# KiCad board Amber.kicad_pcb (continued)
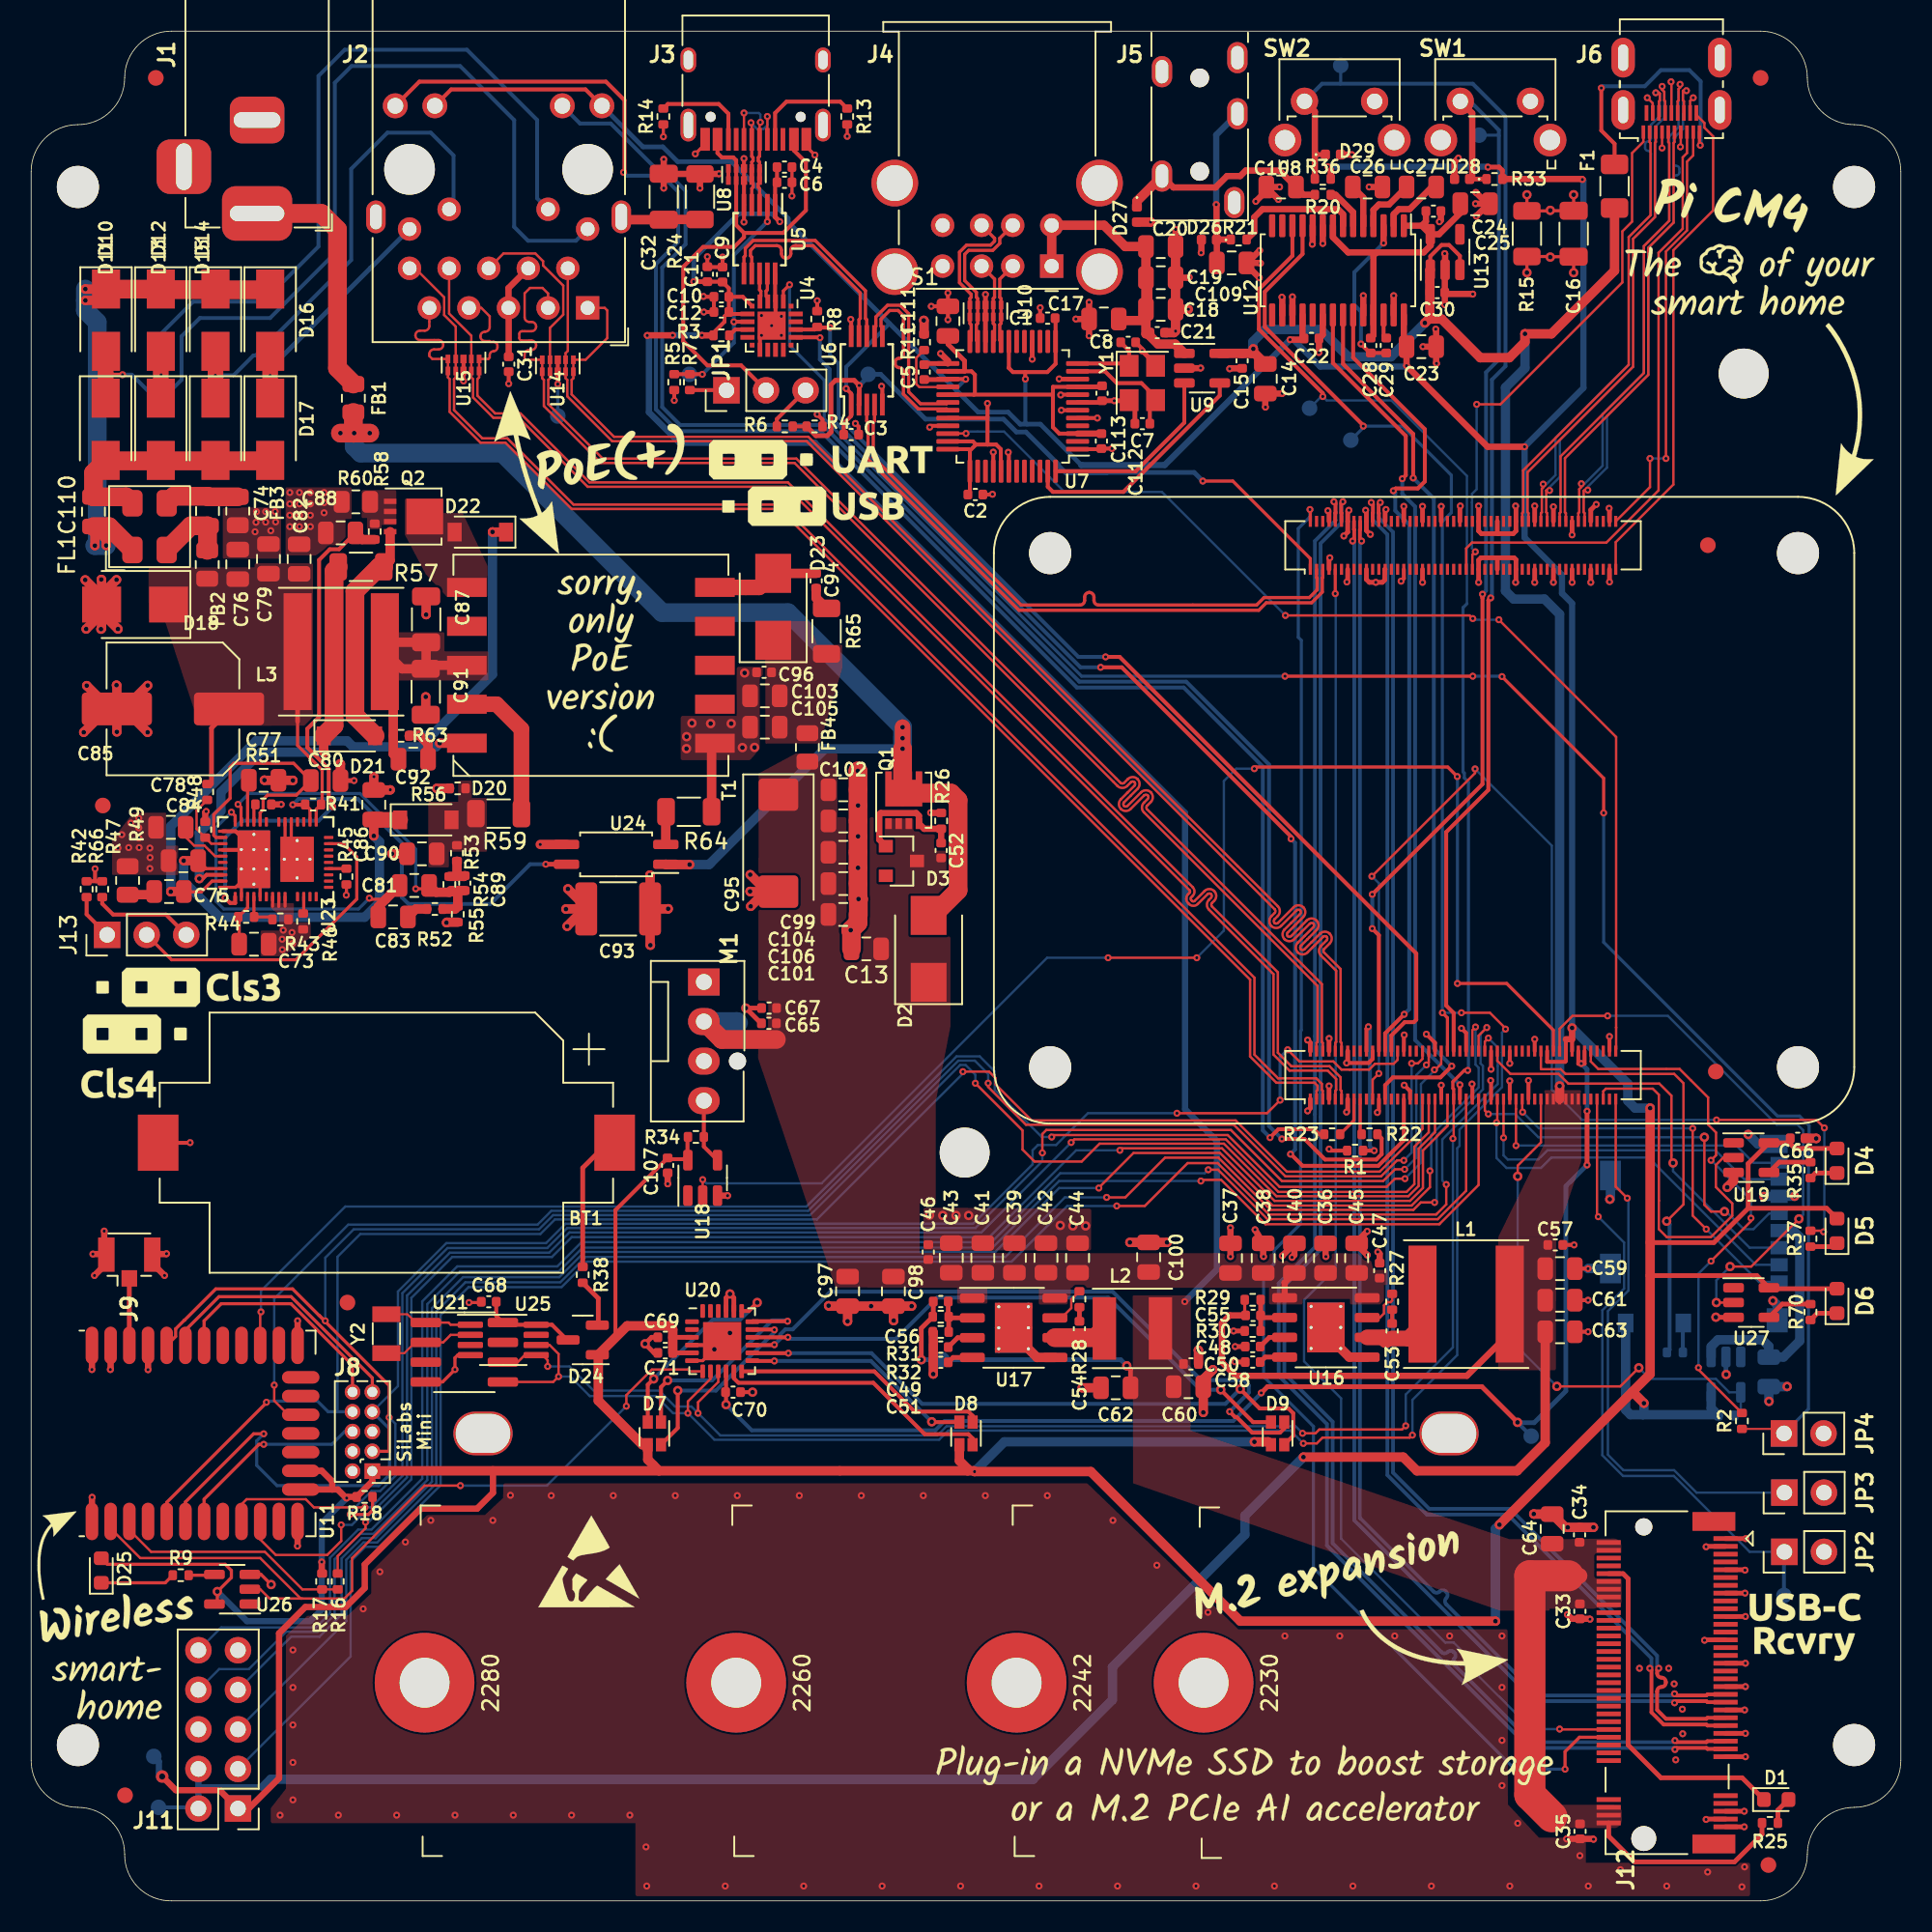
[diagram p0: board, top side]
## Routing (per net, layer and track width the routed paths; a pad name or vN(x,y) marks a point on that pad's centre or on a via; arc(x,y) is an arc through that point) (continued)
/CM4/ETH.TD1-: length 88.4
  Top w0.15: 34.44,104.78 34.44,99.48 34.3,99.34 U14.2 U14.9
  Top w0.154: U14.9 34.3,97.73 34.41,97.62 34.41,96.57 37.29,93.68 49.77,93.68 77.25,66.2 79.82,63.64 arc(79.86,63.52) 79.82,63.41 79.6,63.19 arc(79.47,62.88) 79.6,62.57 arc(79.91,62.44) 80.22,62.57 81.22,63.57 arc(81.34,63.62) 81.45,63.57 arc(81.5,63.46) 81.45,63.35 80.45,62.34 arc(80.32,62.03) 80.45,61.72 arc(80.76,61.59) 81.07,61.72 82.07,62.72 arc(82.18,62.77) 82.3,62.72 arc(82.34,62.61) 82.3,62.5 81.29,61.49 arc(81.17,61.18) 81.29,60.87 arc(81.61,60.74) 81.92,60.87 82.92,61.87 arc(83.03,61.92) 83.15,61.87 arc(83.19,61.76) 83.15,61.65 82.79,61.29 arc(82.66,60.98) 82.79,60.67 83.76,59.69 83.76,55.12 83.7,55.07 U1.10
/CM4/ETH.TD2+: length 87.6
  Top w0.15: U14.6 U14.5 31.73,98.91 31.67,98.97 31.67,99.24 arc(31.76,99.45) 31.97,99.54 32.11,99.54 arc(32.32,99.63) 32.41,99.84 arc(32.32,100.05) 32.11,100.14 31.5,100.14 arc(31.38,100.19) 31.33,100.31 31.33,100.57 arc(31.38,100.69) 31.5,100.74 32.11,100.74 arc(32.32,100.83) 32.41,101.04 arc(32.32,101.25) 32.11,101.34 31.97,101.34 arc(31.76,101.43) 31.67,101.64 31.67,103.17 32.02,103.52 32.82,103.52 33.17,103.16 J2.3
  Top w0.154: U14.6 32.8,97.73 32.91,97.62 32.91,95.94 36.57,92.28 49,92.28 69.45,71.83 69.72,71.56 arc(70.04,71.43) 70.35,71.56 70.59,71.8 arc(70.7,71.85) 70.81,71.8 arc(70.86,71.69) 70.81,71.57 69.94,70.7 arc(69.81,70.39) 69.94,70.08 arc(70.25,69.95) 70.57,70.08 71.44,70.95 arc(71.55,71) 71.66,70.95 arc(71.71,70.84) 71.66,70.72 71.42,70.48 arc(71.29,70.17) 71.42,69.86 82.56,58.72 82.56,55.12 82.5,55.07 U1.4
/CM4/ETH.TD2-: length 88.1
  Top w0.15: U14.7 U14.4 33.3,100.96 34.15,101.81 34.15,103.67 32.86,104.96 32.86,105.24 32.36,105.73 30.32,105.73 J2.6
  Top w0.154: U1.6 82.9,55.07 82.84,55.12 82.84,58.84 71.62,70.06 arc(71.57,70.17) 71.62,70.28 71.86,70.53 arc(71.99,70.84) 71.86,71.15 arc(71.55,71.28) 71.24,71.15 70.37,70.28 arc(70.25,70.23) 70.14,70.28 arc(70.09,70.39) 70.14,70.5 71.01,71.37 arc(71.14,71.69) 71.01,72 arc(70.7,72.13) 70.39,72 70.15,71.76 arc(70.04,71.71) 69.92,71.76 69.65,72.03 49.11,92.57 36.68,92.57 33.19,96.06 33.19,97.62 33.3,97.73 U14.7
/CM4/ETH.TD3+: length 89
  Top w0.15: U15.10 U15.1 29.34,98.96 29.43,99.05 29.43,99.21 arc(29.5,99.39) 29.68,99.46 arc(29.85,99.53) 29.93,99.71 29.93,99.81 arc(29.85,99.99) 29.68,100.06 29.43,100.06 29.43,100.11 29.13,100.11 arc(28.92,100.2) 28.83,100.41 28.83,100.41 arc(28.92,100.62) 29.13,100.71 arc(29.34,100.8) 29.43,101.01 29.43,101.7 28.89,102.24 J2.7
  Top w0.154: U1.11 84.1,51.99 84.04,52.04 84.04,52.86 83.33,53.57 80.88,53.57 80.02,54.43 80.02,59.59 75.79,63.82 arc(75.74,63.93) 75.79,64.04 75.93,64.19 arc(76.06,64.5) 75.93,64.81 arc(75.62,64.94) 75.31,64.81 74.67,64.18 arc(74.59,64.14) 74.51,64.18 74.45,64.24 arc(74.42,64.32) 74.45,64.4 74.55,64.5 arc(74.66,64.78) 74.55,65.06 48.57,91.04 35.83,91.04 31.41,95.47 29.78,95.47 28.64,96.61 28.64,97.67 28.75,97.78 U15.10
/CM4/ETH.TD3-: length 89
  Top w0.15: J2.8 26.83,101.88 28.25,100.45 U15.2 U15.9
  Top w0.154: U15.9 28.25,97.78 28.36,97.67 28.36,96.49 29.67,95.18 31.29,95.18 35.72,90.76 48.45,90.76 69.69,69.52 74.35,64.86 arc(74.38,64.78) 74.35,64.7 74.25,64.6 arc(74.13,64.32) 74.25,64.04 74.31,63.98 arc(74.59,63.86) 74.87,63.98 75.51,64.61 arc(75.62,64.66) 75.73,64.61 arc(75.78,64.5) 75.73,64.39 75.59,64.24 arc(75.46,63.93) 75.59,63.62 79.73,59.48 79.73,54.32 80.77,53.28 83.22,53.28 83.76,52.74 83.76,52.04 83.7,51.99 U1.9
/CM4/ETH.TD4+: length 88
  Top w0.15: U15.6 U15.5 25.75,98.96 25.55,99.16 25.55,99.28 arc(25.64,99.49) 25.85,99.58 26.15,99.58 arc(26.36,99.66) 26.45,99.88 arc(26.36,100.09) 26.15,100.17 24.96,100.17 arc(24.75,100.26) 24.66,100.47 arc(24.75,100.69) 24.96,100.78 25.26,100.78 arc(25.47,100.86) 25.55,101.08 J2.9
  Top w0.154: U1.3 82.5,51.99 82.56,52.04 82.56,52.32 82.37,52.51 79.92,52.51 78.23,54.19 78.23,59.13 48.03,89.33 34.69,89.33 30.44,93.58 28.84,93.58 26.86,95.57 26.86,97.67 26.75,97.78 U15.6
/CM4/ETH.TD4-: length 88.1
  Top w0.15: U15.7 U15.4 27.25,101.04 26.51,101.78 26.51,102.92 24.65,104.78 24.28,104.78
  Top w0.154: U1.5 82.9,51.99 82.84,52.04 82.84,52.43 82.48,52.79 80.03,52.79 78.52,54.31 78.52,59.24 48.14,89.62 34.81,89.62 30.56,93.87 28.96,93.87 27.14,95.68 27.14,97.67 27.25,97.78 U15.7
/CM4/GLOBAL_EN: length 36
  Top w0.15: v2(102.44,45.1) 101.7,45.84 U1.99
  Bottom w0.15: JP3.1 106.89,26.2 105.45,27.64 102.19,27.64 101.2,28.63 101.2,37.85 102.52,39.17 102.52,45.02 v2(102.44,45.1)
/CM4/GPIO2: length 118.7
  Top w0.15: v2(93.53,55.38) 93.3,55.15 U1.58 ; v2(69.67,44.6) 71.48,44.6 74.23,47.35 76.15,47.35 79.45,44.05 90.17,44.05 90.82,44.7 v2(90.82,45.97)
  Bottom w0.15: v2(90.82,45.97) 90.57,46.23 90.57,48.87 94.13,52.43 94.13,53.58 94.12,53.58 94.12,54.78 v2(93.53,55.38) ; J11.3 20.5,15.69 20.5,21.78 21.45,22.72 22.33,22.72 26.28,26.68 26.28,37.6 28.07,39.39 34.04,39.39 35.67,41.03 62.92,41.03 66.5,44.6 v2(69.67,44.6)
/CM4/GPIO3: length 116.8
  Top w0.15: v2(90.08,44.83) 89.19,44.83 88.71,44.35 79.55,44.35 76.2,47.7 72.78,47.7 70.23,45.15 v2(69.03,45.15) ; v2(93.42,56.05) 92.9,55.53 U1.56
  Bottom w0.15: v2(90.08,44.83) 90.21,44.96 90.21,49.11 93.18,52.08 93.18,53.59 93.03,53.74 93.03,55.65 v2(93.42,56.05) ; 13.27,11 20.23,17.96 20.23,21.89 21.33,23 22.21,23 26,26.79 26,37.83 27.87,39.7 33.96,39.7 35.58,41.33 62.53,41.33 66.35,45.15 v2(69.03,45.15)
/CM4/GPIO4: length 114.6
  Top w0.15: v2(92.7,56.08) 92.5,55.88 U1.54 ; v2(68.53,45.75) 68.53,45.77 70.75,48 76.3,48 79.67,44.62 88.6,44.62 89.78,45.8 v2(89.78,46.85)
  Bottom w0.15: 13.27,13.54 16.68,16.95 18.5,16.95 19.92,18.38 19.92,21.98 21.22,23.28 22.1,23.28 25.73,26.91 25.73,38.03 27.72,40.03 33.9,40.03 35.51,41.65 61.87,41.65 65.97,45.75 v2(68.53,45.75) ; v2(89.78,46.85) 89.86,46.94 89.86,49.16 92.9,52.2 92.9,53.47 92.7,53.67 v2(92.7,56.08)
/CM4/GPIO14: length 112.2
  Top w0.15: U1.55 92.9,45.95 90.38,43.42 79.22,43.42 76.38,46.28 75.15,46.28 v2(75.08,46.2)
  Bottom w0.15: 10.73,13.54 12.06,14.88 13.98,14.88 16.37,17.27 18.39,17.27 19.48,18.36 19.48,21.92 21.1,23.55 21.97,23.55 25.42,27 25.42,38.3 27.52,40.4 33.88,40.4 35.4,41.92 61.7,41.92 65.97,46.2 v2(75.08,46.2)
/CM4/GPIO15: length 110.9
  Top w0.15: v2(75.55,46.92) 76.18,46.92 79.35,43.75 90.28,43.75 92.1,45.58 U1.51
  Bottom w0.15: J11.10 12.2,17.55 18.27,17.55 19.17,18.45 19.17,22.02 20.99,23.83 21.84,23.83 25.1,27.09 25.1,38.47 27.34,40.72 33.77,40.72 35.33,42.28 61.62,42.28 66.05,46.7 75.33,46.7 v2(75.55,46.92)
/CM4/HDMI.CEC: length 39
  Top w0.15: J6.15 106.28,112.18 106,111.9 106,107.33 104.45,105.78 104.45,90.53 101.1,87.17 92.47,87.17 92.1,86.8 U1.151
/CM4/HDMI.CLK+: length 32.8
  Top w0.154: v2(105.83,116.59) 105.83,116.38 105.73,116.28 105.73,115.56 105.68,115.5 J6.12 ; U1.188 99.3,89.07 99.36,89.12 99.36,90.61 99.5,90.74 v2(99.5,90.95)
  Bottom w0.154: v2(99.5,90.95) 99.71,90.95 100.86,92.11 100.86,95.43 103.51,98.08 103.51,106.21 105.13,107.83 105.13,113.23 105.73,113.83 105.73,116.28 105.83,116.38 v2(105.83,116.59)
/CM4/HDMI.CLK-: length 32.7
  Top w0.154: J6.14 106.07,115.5 106.02,115.56 106.02,116.17 106.03,116.18 v2(106.24,116.18) ; v2(99.9,90.55) 99.69,90.55 99.64,90.49 99.64,89.12 99.7,89.07 U1.190
  Bottom w0.154: v2(99.9,90.55) 99.9,90.76 101.14,91.99 101.14,95.32 103.79,97.97 103.79,106.09 105.42,107.72 105.42,110.57 arc(105.47,110.7) 105.6,110.75 arc(105.73,110.81) 105.79,110.94 105.79,111.17 arc(105.73,111.3) 105.6,111.35 arc(105.47,111.41) 105.42,111.54 105.42,113.12 106.02,113.72 106.02,116.17 106.03,116.18 v2(106.24,116.18)
/CM4/HDMI.D0+: length 27.9
  Top w0.154: U1.182 98.1,89.07 98.16,89.12 98.16,92.71 103.51,98.06 103.51,106.21 105.13,107.83 105.13,112.83 105.07,112.89 J6.9
/CM4/HDMI.D0-: length 27.9
  Top w0.154: U1.184 98.5,89.07 98.44,89.12 98.44,92.59 103.79,97.94 103.79,106.09 105.42,107.72 105.42,112.83 105.47,112.89 J6.11
/CM4/HDMI.D1+: length 33
  Top w0.154: v2(97.05,90.93) 97.05,90.72 96.96,90.63 96.96,89.12 96.9,89.07 U1.176 ; J6.6 104.47,115.5 104.53,115.56 104.53,115.99 104.48,116.05 v2(104.27,116.05)
  Bottom w0.154: v2(104.27,116.05) 104.48,116.05 104.53,115.99 104.53,114.56 103.96,113.98 103.96,113.11 arc(103.9,112.98) 103.77,112.92 arc(103.64,112.87) 103.59,112.73 103.59,112.51 arc(103.64,112.38) 103.77,112.32 arc(103.9,112.27) 103.96,112.13 103.96,108.21 102.53,106.78 102.53,98.58 97.83,93.88 97.83,91.51 97.26,90.93 v2(97.05,90.93)
/CM4/HDMI.D1-: length 33
  Top w0.154: J6.8 104.88,115.5 104.82,115.56 104.82,116.11 104.68,116.24 v2(104.68,116.45) ; v2(97.45,90.52) 97.24,90.52 97.24,90.52 97.24,89.12 97.3,89.07 U1.178
  Bottom w0.154: v2(104.68,116.45) 104.68,116.24 104.82,116.11 104.82,114.44 104.24,113.87 104.24,108.09 102.82,106.67 102.82,98.47 98.12,93.77 98.12,91.39 97.45,90.73 v2(97.45,90.52)
/CM4/HDMI.D2+: length 28.4
  Top w0.154: J6.3 103.88,112.89 103.93,112.83 103.93,108.18 102.53,106.78 102.53,98.58 95.76,91.81 95.76,89.12 95.7,89.07 U1.170
/CM4/HDMI.D2-: length 28.4
  Top w0.154: J6.5 104.28,112.89 104.22,112.83 104.22,108.07 102.82,106.67 102.82,98.47 96.04,91.69 96.04,89.12 96.1,89.07 U1.172
/CM4/HDMI.HPD: length 33.7
  Top w0.15: U1.153 92.5,86.4 v2(92.69,86.59) ; J6.1 103.47,112.9 102.75,112.17 102.75,107.78 102.13,107.15 102.13,103.88 94.3,96.05 v2(92.78,96.05)
  Bottom w0.15: v2(92.69,86.59) 92.47,86.8 92.47,89.75 92.48,89.75 92.48,90.3 92.78,90.6 v2(92.78,96.05)
/CM4/HDMI.SCL: length 27.6
  Top w0.15: v2(104.93,92.58) 104.93,105.86 106.28,107.21 106.28,111.63 106.68,112.03 J6.17 ; v2(103.9,92.58) 103.9,90.74 U1.200
  Bottom w0.15: v2(103.9,92.58) v2(104.93,92.58)
/CM4/HDMI.SDA: length 32.3
  Top w0.15: U1.199 101.7,87.2 105.4,90.9 105.4,105.94 107.95,108.49 107.95,113.25 107.39,113.81 107.39,114.11 106.88,114.62 J6.18
/CM4/PCIe.CLK+: length 102.2
  Top w0.238: v2(83.61,89.8) 83.72,89.69 83.72,89.08 83.7,89.07 U1.110 ; J12.55 107.59,9.75 107.52,9.82 105.61,9.82 v2(105.5,9.71)
  Bottom w0.238: v2(83.61,89.8) 83.72,89.69 83.72,88.6 82.39,87.28 82.39,55.48 82.4,55.48 82.4,50.47 82.39,50.47 82.39,41.95 80.07,39.63 80.07,33.7 83.17,30.6 83.17,22.8 96.15,9.82 105.39,9.82 v2(105.5,9.71)
/CM4/PCIe.CLK-: length 102.3
  Top w0.238: J12.53 107.59,10.25 107.52,10.18 105.61,10.18 v2(105.5,10.29) ; v2(84.19,89.8) 84.08,89.69 84.08,89.08 84.1,89.07 U1.112
  Bottom w0.238: v2(105.5,10.29) 105.39,10.18 96.3,10.18 91.34,15.15 arc(91.25,15.34) 91.34,15.54 arc(91.42,15.74) 91.34,15.94 91.31,15.97 arc(91.11,16.05) 90.91,15.97 arc(90.71,15.88) 90.52,15.97 83.53,22.95 83.53,30.75 80.43,33.85 80.43,39.47 82.76,41.8 82.76,50.32 82.76,50.32 82.76,55.63 82.76,55.63 82.76,87.12 84.08,88.45 84.08,89.69 v2(84.19,89.8)
/CM4/PCIe.RX+: length 93
  Top w0.238: v2(105.47,12.71) 105.58,12.82 107.52,12.82 107.59,12.75 J12.43 ; v2(84.81,87.28) 84.92,87.38 84.92,88 84.9,88.01 U1.116
  Bottom w0.238: v2(84.81,87.28) 84.92,87.17 84.92,24.42 96.52,12.82 105.37,12.82 v2(105.47,12.71)
/CM4/PCIe.RX-: length 93
  Top w0.238: J12.41 107.59,13.25 107.52,13.18 105.58,13.18 v2(105.47,13.29) ; U1.118 85.3,88.01 85.28,88 85.28,87.38 v2(85.39,87.28)
  Bottom w0.238: v2(85.39,87.28) 85.28,87.17 85.28,24.58 90,19.85 arc(90.2,19.77) 90.4,19.85 arc(90.6,19.94) 90.8,19.85 90.82,19.83 arc(90.91,19.63) 90.82,19.43 arc(90.74,19.23) 90.82,19.03 96.68,13.18 105.37,13.18 v2(105.47,13.29)
/CM4/PCIe.TX+: length 94.6
  Top w0.238: v2(86.01,89.75) 86.12,89.64 86.12,89.08 86.1,89.07 U1.122 ; J12.49 107.59,11.25 107.52,11.32 104.77,11.32 103.99,12.1 103.99,14.82 v2(103.89,14.93)
  Bottom w0.238: v2(86.01,89.75) 86.12,89.64 86.12,88.62 87.04,87.7 87.04,27.33 89.58,24.79 94.77,24.79 103.99,15.57 103.99,15.03 v2(103.89,14.93)
/CM4/PCIe.TX-: length 94.6
  Top w0.238: v2(86.59,89.75) 86.48,89.64 86.48,89.08 86.5,89.07 U1.124 ; J12.47 107.59,11.75 107.52,11.68 104.93,11.68 104.36,12.25 104.36,13.45 arc(104.44,13.65) 104.64,13.73 arc(104.84,13.81) 104.92,14.01 104.92,14.05 arc(104.84,14.25) 104.64,14.33 arc(104.44,14.41) 104.36,14.61 104.36,14.82 v2(104.46,14.93)
  Bottom w0.238: v2(86.59,89.75) 86.48,89.64 86.48,88.78 87.41,87.85 87.41,27.48 89.73,25.16 94.93,25.16 104.36,15.73 104.36,15.03 v2(104.46,14.93)
/CM4/PCIe.~{CLKREQ}: length 97.2
  Top w0.2: J12.52 99.38,10.5 98.45,9.57 v2(98.45,8.45) ; v2(82.08,89.3) 82.1,89.28 U1.102
  Bottom w0.2: v2(98.45,8.45) 95.22,8.45 82.3,21.38 82.3,30.45 79.1,33.65 79.1,40.22 79.78,40.9 79.78,41.75 81.47,43.45 81.47,55.83 81.53,55.88 81.53,80.9 81.33,81.1 81.33,88.08 82.08,88.83 v2(82.08,89.3)
/CM4/PCIe.~{RST}: length 86.7
  Top w0.15: v2(98.1,11.03) 98.12,11 J12.50
  Top w0.2: U1.109 v2(83.7,83.9)
  Bottom w0.15: v2(98.1,11.03) 96.3,11.03 92,15.32 92,15.88 91.3,16.57 90.75,16.57 84.08,23.25 84.08,32.25 81.7,34.63 81.7,38.56 83.11,39.97 83.28,39.97 83.73,40.43 83.73,83.87 v2(83.7,83.9)
/CM4/RESET_CM4: length 122.2
  Top w0.127: R2.2 112.21,30.29 JP4.1
  Top w0.2: v2(100.93,69.83) 100.93,72.05 v2(94.4,78.58) ; U4.2 48.28,103.33 v2(48.67,103.72) ; v2(80.47,78.6) v2(92.53,78.6)
  Bottom w0.2: v2(94.4,78.58) 94.38,78.6 v2(92.53,78.6) ; v2(48.67,103.72) 48.67,99.83 50.9,97.6 50.9,95.08 50.94,95.08 67.42,78.6 v2(80.47,78.6) ; JP4.1 114.07,31.57 114.07,48.69 114.04,48.71 114.04,49.15 114.11,49.21 114.11,49.76 113.5,50.37 112.08,50.37 100.93,61.53 v2(100.93,69.83)
/CM4/RUN_PG: length 33.4
  Top w0.15: U1.92 100.1,53.87 100.58,53.39 105.8,53.39 107.63,51.56 107.63,49.82 108.14,49.31 108.14,47.85 v2(107.82,47.53) ; R2.1 107.01,34.1 v2(107.01,34.22) ; v2(107.82,41.06) 110.38,43.62 v2(110.38,43.82)
  Bottom w0.15: v2(110.38,43.82) 110.38,44.99 107.84,47.53 v2(107.82,47.53) ; v2(107.82,41.06) 107.01,40.25 v2(107.01,34.22)
/CM4/SD.CLK: length 25.7
  Top w0.15: v2(93.53,50.5) 93.3,50.72 U1.57 ; v1(107.39,49.01) 107.39,44.67 107.82,44.24 v1(108.68,44.24)
  Bottom w0.15: v1(107.39,49.01) 96.74,49.01 95.25,50.5 v2(93.53,50.5) ; J7.5 111.55,44.12 110.54,43.11 109.92,43.11 108.79,44.24 v1(108.68,44.24)
/CM4/SD.CMD: length 26.5
  Top w0.15: v1(105.38,47.36) 105.28,47.47 105.28,51.67 104.5,52.45 98.66,52.45 98.03,53.08 94.94,53.08 94.1,53.92 U1.62
  Bottom w0.15: v1(105.38,47.36) 105.38,46.83 110.29,41.92 J7.3
/CM4/SD.D0: length 22.4
  Top w0.15: v2(94.5,48.97) U1.63
  Bottom w0.15: J7.7 109.95,46.32 108.1,48.17 97.31,48.17 96.72,47.58 94.77,47.58 94.5,47.85 v2(94.5,48.97)
/CM4/SD.D1: length 20.3
  Top w0.15: v2(95.3,48.47) 95.3,48.48 95.3,50.83 95.3,50.83 U1.67
  Bottom w0.15: J7.8 110.55,47.37 109.44,48.47 v2(95.3,48.47)
/CM4/SD.D2: length 25.1
  Top w0.15: v2(107.51,43.11) 106.64,43.98 v2(106.64,49.58) ; v2(95.72,50.62) 95.7,50.65 U1.69
  Bottom w0.15: v2(107.51,43.11) 110.9,39.72 J7.1 ; v2(106.64,49.58) 96.77,49.58 v2(95.72,50.62)
/CM4/SD.D3: length 25.3
  Top w0.15: v2(94.05,49.95) 94.1,50 94.1,51.46 U1.61
  Bottom w0.15: v2(94.05,49.95) 94.05,47.68 94.69,47.04 96.91,47.04 97.58,47.71 103.8,47.71 110.69,40.82 J7.2
/CM4/SD.DET: length 28.5
  Top w0.15: v1(104.97,43.62) 106.05,44.7 106.05,52.47 105.45,53.08 98.47,53.08 98.18,53.38 96.92,53.38 96.9,53.4 U1.76
  Bottom w0.25: v1(104.97,43.62) 105.16,43.43 105.16,35.37 R39.2
/CM4/SD.PWR: length 34.7
  Top w0.15: U1.75 96.9,48.67 95.41,47.19 v1(95.41,46.5) ; v1(97.92,33.02) 101.99,33.02 v1(103.18,34.21)
  Bottom w0.15: R40.2 109.72,31.56 U22.4 108.99,32.64 108.12,33.5 103.89,33.5 v1(103.18,34.21) ; v1(95.41,46.5) 95.41,35.53 v1(97.92,33.02)
/CM4/~{EXTRST}: length 71.2
  Top w0.15: v2(80.5,82.5) 92.33,82.5 v2(92.53,82.3) ; U1.100 101.7,54.65 101.73,54.68 101.73,56.05 101.72,56.05 101.72,74.7 v2(94.2,82.22) ; U7.34 58.85,94.18 v2(60,94.18)
  Bottom w0.15: v2(94.2,82.22) 92.6,82.22 v2(92.53,82.3) ; v2(80.5,82.5) 72.58,90.42 66.32,90.42 62.44,94.3 60.12,94.3 v2(60,94.18)
/CM4/~{FAN_PWM}: length 88.5
  Top w0.15: v2(69.12,60.53) v2(74.81,60.53) ; U18.2 v2(43.1,46.29)
  Top w0.2: v2(91.53,72.16) 90.92,72.77 78.61,72.77 v2(78.51,72.67) ; v2(91.54,58.88) 94.7,58.88 97.7,55.88 U1.80
  Bottom w0.15: v2(69.12,60.53) 65.21,60.53 50.73,46.05 43.34,46.05 v2(43.1,46.29) ; v2(78.51,72.67) 77.35,72.67 76.55,71.87 76.55,62.27 v2(74.81,60.53)
  Bottom w0.2: v2(91.53,72.16) 91.54,72.15 v2(91.54,58.88)
/CM4/~{LED_ACT}: length 73
  Top w0.15: U1.21 86.1,52.7 v2(86.5,53.1) ; v2(108.17,50.12) 114.58,50.12 v2(115.09,49.61) ; v2(115.04,42.94) 114.97,43.01 R37.2 ; v2(86.05,65.76) 92.67,72.38 v2(92.67,72.65)
  Bottom w0.15: v2(86.5,53.1) 86.5,53.1 86.5,65.31 v2(86.05,65.76) ; v2(115.09,49.61) 115.09,42.99 v2(115.04,42.94) ; v2(92.67,72.65) 97.6,67.72 97.6,52.06 99.54,50.12 v2(108.17,50.12)
/CM4/~{LED_AMBER}: length 35.7
  Top w0.15: v1(113.46,43.77) 110.4,40.71 v1(109.04,40.71) ; U1.82 98.1,54.54 98.1,55.97 98.93,56.8 v2(101.18,56.8) ; v1(108.16,38.4) U27.2
  Bottom w0.15: v2(101.18,56.8) 105.05,56.8 112.03,49.82 113.37,49.82 113.73,49.46 113.73,44.04 v1(113.46,43.77) ; v1(109.04,40.71) 108.16,39.83 v1(108.16,38.4)
/CM4/~{LED_PWR}: length 23.4
  Top w0.15: U19.2 108.6,47.7 108.13,47.23 108.13,45.81 109.18,44.76 109.18,43.97 107.81,42.6 104.98,42.6 104.47,43.11 104.47,44.94 104.47,44.94 104.47,51.74 104.08,52.12 101.06,52.12 100.9,51.96 U1.95
/CM4/~{RPI_BOOT}: length 41.2
  Top w0.15: U1.93 100.5,43.99 v2(100.58,43.91)
  Bottom w0.15: JP2.1 110.3,22.4 105.43,27.27 102.17,27.27 100.84,28.6 100.84,37.9 102.24,39.3 102.24,42.25 v2(100.58,43.91)
  Bottom w0.25: JP2.1 112.5,22.38 TP1.1
/CM4/~{SW_USER}: length 73.6
  Top w0.25: v2(93.15,83.86) 93.15,83.63 93.15,83.63 93.15,71.67 v2(86.08,64.6) ; U1.24 86.5,61.97 v2(86.08,62.4)
  Top w0.3: R33.1 D28.1
  Top w0.4: 92.49,110.5 92.49,114.73 SW1.1
  Bottom w0.2: 94.2,113.28 94.15,113.33 TP4.1
  Bottom w0.25: v2(93.15,83.86) 93.38,84.09 93.38,98.1 94.2,98.92 94.2,113.65 92.35,115.5 SW1.1 ; v2(86.08,62.4) v2(86.08,64.6)
/CM4/~{SW_WIPE}: length 83.2
  Top w0.25: U1.48 91.3,56.98 90.82,57.46 90.82,68.59 93.53,71.3 93.53,83.47 v2(93.67,83.62)
  Top w0.3: D29.1 82.55,112.08 82.39,112.24
  Top w0.4: SW2.1 82.39,114.84 R36.1
  Bottom w0.2: 84.03,116.63 84.05,116.65 TP5.1
  Bottom w0.25: v2(93.67,83.62) 93.75,83.7 93.75,97.63 94.62,98.5 94.62,114.53 92.52,116.63 82.85,116.63 SW2.1
/Ethernet/ETH_SHLD: length 42.2
  Top w0.6: J2.SH 38.06,107.9 C32.1 40.61,107.91 R24.2
  In2.Cu w0.4: J2.SH 21.44,108.77 21.44,116.77 22.57,117.9 38.18,117.9 39.33,116.75 39.33,109.53 J2.SH
/Ethernet/VC1: length 60.2
  Top w0.25: 4.78,97.99 4.82,97.95 v2(5.86,97.95)
  Top w1: 4.78,96.42 4.78,99.42 4.8,99.44
  Bottom w0.25: J2.11 34.97,106.55 31.89,106.55 31,107.44 31,114.29 27.53,117.76 20.56,117.76 19.49,116.69 19.49,105.74 15.34,101.59 10.83,101.59 9.65,100.41 9.65,97.62 8.72,96.69 7.72,96.69 6.46,97.95 v2(5.86,97.95)
/Ethernet/VC2: length 53.2
  Top w0.25: 8.32,99.44 8.34,99.42 v2(8.34,97.94)
  Top w1: 8.32,99.44 8.32,96.42
  Bottom w0.25: v2(8.34,97.94) 8.34,100.58 10.4,102.64 14.9,102.64 18.44,106.18 18.44,117.13 20.13,118.81 27.97,118.81 32.48,114.3 32.48,109.27 J2.12
/Ethernet/VC3: length 33.8
  Top w0.25: v2(11.82,97.91) 11.82,99.4 11.83,99.41
  Top w1: 11.83,99.41 11.83,96.43
  Bottom w0.25: J2.13 27.11,108.85 27.11,112.02 25.64,113.49 22.87,113.49 20.54,111.16 20.54,105.31 14.42,99.19 14.27,99.19 12.99,97.91 v2(11.82,97.91)
/Ethernet/VC4: length 17.6
  Top w0.3: v2(15.34,97.9) 15.34,96.42
  Top w1: 15.34,99.4 15.34,96.42
  Bottom w0.3: 24.28,107.3 21.79,104.81 21.79,104.81 15.34,98.36 v2(15.34,97.9)
/PoE/CLS: length 20.6
  Top w0.2: J13.2 9.02,60.4 17,60.4 20.9,64.3 20.9,67 20.05,67.85 U23.21
/PoE/COMP: length 20.9
  Top w0.2: v2(21.7,64.36) 21.78,64.28 22.75,64.28 ; v2(12.85,69.88) 13.09,69.63 U23.35
  Top w0.6: C81.2 22.28,63.81 C83.2
  Bottom w0.2: v2(12.85,69.88) 11.86,68.88 11.86,64.16 12.36,63.66 21.01,63.66 v2(21.7,64.36)
/PoE/CP: length 29.3
  Top w0.2: U23.44 11.61,65.45 10.92,64.76 9.8,64.76
  Top w0.6: C75.1 8.97,64.78 v1(8.96,64.77) ; T1.1 v1(26.22,74.3)
  Bottom w0.6: v1(8.96,64.77) 8.96,68.97 14.44,74.45 20.28,74.45 20.66,74.07 25.99,74.07 v1(26.22,74.3)
/PoE/CS: length 34.1
  Top w0.25: U23.1 13.09,64.05 12.77,64.05 v2(12.44,64.37) ; v2(19.35,70.22) 19.35,70.49 19.1,70.74 19.1,72.65 17.73,74.03 17.73,75.23 18.48,75.98 18.48,86.06 19.17,86.75 19.76,86.75 C88.1
  Top w0.6: C88.1 21.24,87.37 R58.1
  Bottom w0.25: v2(12.44,64.37) 12.45,64.38 12.45,68.24 13.53,69.32 18.45,69.32 v2(19.35,70.22)
/PoE/DEN: length 25.6
  Top w0.2: U23.24 17.9,70.05 R41.2
  Top w0.25: R41.2 17.57,70.35 v2(16.79,70.35)
  Top w0.3: U24.4 v2(33.03,66.53)
  Bottom w0.25: v2(33.03,66.53) 32.02,66.53 29.47,63.98 24.22,63.98 23.79,64.41 23.79,67.89 20.96,70.72 17.16,70.72 v2(16.79,70.35)
/PoE/DTHR: length 3.3
  Top w0.2: C73.1 13.35,63.09 R44.1 13.9,63.75 U23.3
/PoE/FB: length 22.5
  Top w0.2: v2(13.27,70.38) 13.47,70.18 13.47,69.27 U23.34 ; v2(24.68,64.95) 25.33,64.95 C81.1
  Top w0.6: 27.45,64.84 27.38,64.78 R55.1 27.21,63.66 R52.1 ; 27.45,64.84 C89.2 ; 27.45,64.84 26.95,64.84 R54.2 25.98,64.73 C81.1
  Bottom w0.2: v2(13.27,70.38) 13.97,71.07 21.11,71.07 24.68,67.5 v2(24.68,64.95)
/PoE/LINEUV: length 4.2
  Top w0.15: U23.38 11.56,67.85 R49.1 10.62,68.8 10.62,69.98 R48.2
/PoE/N1B: length 16.9
  Top w0.6: 25.35,79.1 C87.1 23.3,80.78 L3.2 23.8,79.08 25.33,79.08 25.55,79.3 T1.3 ; 23.24,79.64 R63.1 23.24,73.61 23.58,73.28
/PoE/VB: length 16.3
  Top w0.2: U23.31 14.7,69.84 14.89,70.03 14.89,70.69 15.17,70.97 17.02,70.97 C80.1 16.84,73.01 13.01,73.01 12.77,72.77 12.77,70.77 11.72,69.72 11.72,68.39 11.86,68.25 U23.37
/Power/DC_IN_F: length 87.6
  Top w0.6: U24.1 40.75,66.51 v1(42.26,66.51)
  Top w1: v1(55.93,75.33) 55.93,70.78
  Top w1.2: v1(55.93,73.94) 55.93,71.17 ; D2.2 57.88,63.25 59.49,64.86 59.49,70.64 59.03,71.09 Q1.5 ; v1(21.73,94.2) v1(20.73,94.2) 20.68,94.2 ; 20.68,94.2 FB1.2 ; 20.68,94.2 v1(19.85,94.2)
  Bottom w0.6: v1(42.26,66.51) 43.51,66.51 50.94,73.94 v1(55.93,73.94)
  Bottom w1.2: v1(55.93,73.94) v1(55.93,74.62) v1(55.93,75.33) 48.58,82.68 40.49,82.68 30.25,92.92 21.15,92.92 20.73,93.34 v1(20.73,94.2) ; v1(19.85,94.2) v1(21.73,94.2)
/SCL: length 153.4
  Top w0.15: 30.27,34.58 31.23,34.58 31.67,35.03 U25.5 32.83,35.03 33.15,34.7 v2(33.15,34.3) ; v2(81.6,30.01) 82.44,30.01 82.67,30.25 87.98,30.25 v2(88.22,30.49) ; U1.47 91.3,48.97 ; v2(42.8,31.3) 42.8,32 44.1,33.3 U20.9
  Top w0.2: U1.47 91.3,52.1 91.25,52.15 91.25,52.57 91.97,53.3 v2(92.2,53.3)
  Top w0.25: v2(82.9,96.55) 82.9,96.76 78.8,100.86 78.8,103.43 80.95,105.58 U12.12
  Bottom w0.15: 92.15,83.25 92.15,91.45 87.3,96.3 83.15,96.3 v2(82.9,96.55) 82.8,96.55 TP11.1 ; v2(81.6,30.01) 81.15,30.46 58.75,30.46 58.16,29.87 44.23,29.87 v2(42.8,31.3) 42.37,31.73 41.32,31.73 40.3,32.75 36.1,32.75 34.55,34.3 v2(33.15,34.3) ; v2(91.25,48.92) 91.25,35.53 88.22,32.5 v2(88.22,30.49)
  Bottom w0.2: 92.15,83.25 91.9,83 91.9,72.46 91.98,72.38 91.98,72.08 92.25,71.81 92.25,53.35 v2(92.2,53.3)
/SDA: length 162.5
  Top w0.15: v2(94.62,55.95) 94.62,56 93.62,57 v2(91.8,57) ; v2(88.65,29.89) 88.49,29.73 82.88,29.73 82.51,29.36 v2(81.65,29.36) ; U20.8 43.6,33.5 42.15,32.05 v2(42.15,31.3) ; U25.6 33.27,35.67 33.85,35.1 v2(33.85,33.65) 33.51,33.31 U21.5
  Top w0.2: U1.46 90.9,56.67 v2(90.58,57)
  Top w0.25: U12.11 81.6,105.7 79.17,103.28 79.17,101.02 85.5,94.7 v2(85.5,94.65)
  Bottom w0.15: v2(94.62,55.95) 94.4,55.73 94.4,54.45 94.4,54.45 94.4,52.23 91.68,49.5 91.68,48.45 91.53,48.3 91.53,35.03 88.65,32.15 v2(88.65,29.89) ; v2(90.58,57) v2(91.8,57) ; v2(81.65,29.36) 81.43,29.58 81.42,29.58 80.82,30.18 58.87,30.18 58.28,29.6 43.85,29.6 v2(42.15,31.3) 41.2,31.3 40.1,32.4 35.85,32.4 34.6,33.65 v2(33.85,33.65)
  Bottom w0.2: TP12.1 85.5,94.55 v2(85.5,94.65) 88,94.65 91.15,91.5 91.15,89.1 90.58,88.53 v2(90.58,57)
/SDCard/SD_+3V3: length 16
  Bottom w0.6: J7.4 113.09,43.02 113.51,42.6 113.51,35.94 112.47,34.9 C72.1 111.53,35.59 111.11,36.01 108.26,36.01 107.82,35.57 107.82,34.91
/USB/CP.D+: length 1.5
  Top w0.206: U5.9 47.25,103.4 47.17,103.32 47.17,102.98
/USB/CP.D-: length 1.5
  Top w0.206: U5.8 46.75,103.4 46.83,103.32 46.83,102.98
/USB/HUB.D+: length 11.8
  Top w0.206: U7.30 58.75,96.09 57.08,96.09 56.32,96.85 56.32,101.87 55.78,102.41 54.96,102.41 54.21,101.66 54.21,101.06 54.13,100.98 U6.7
/USB/HUB.D-: length 11.8
  Top w0.206: U7.31 58.75,95.75 56.94,95.75 55.98,96.71 55.98,98.14 arc(55.91,98.33) 55.72,98.41 arc(55.53,98.48) 55.45,98.67 55.45,98.74 arc(55.53,98.93) 55.72,99.01 arc(55.91,99.08) 55.98,99.27 55.98,101.73 55.64,102.07 55.1,102.07 54.55,101.52 54.55,101.06 54.63,100.98 U6.6
/USB/MUX2_SEL: length 16.1
  Top w0.25: v2(45.1,101.34) 45.11,101.35 U4.8 ; v2(43.08,97.97) 43.06,97.98 R7.2 R5.1 ; v2(47.25,107.78) U5.2
  Bottom w0.2: v2(43.08,97.97) TP2.1
  Bottom w0.25: v2(43.08,97.97) 45.1,100 v2(45.1,101.34) 45.1,105.63 v2(47.25,107.78)
/USB/OTG.D+: length 13.8
  Top w0.206: U5.7 46.25,105.5 46.17,105.58 46.17,105.92 46.48,106.23 47.86,106.23 arc(48.07,106.15) 48.16,105.93 48.16,105.72 arc(48.24,105.51) 48.46,105.42 arc(48.67,105.51) 48.76,105.72 48.76,105.93 arc(48.84,106.15) 49.06,106.23 50.18,106.23 53.21,103.2 53.21,101.56 53.13,101.48 U6.9
/USB/OTG.D-: length 13.8
  Top w0.206: U5.6 45.75,105.5 45.83,105.58 45.83,106.06 46.34,106.57 50.32,106.57 53.55,103.34 53.55,101.56 53.63,101.48 U6.8
/USB/USB0.D+: length 5.3
  Top w0.206: U7.21 61.83,100.17 61.83,101.16 61.75,101.24 U10.4 U10.7 61.75,102.84 61.83,102.92 61.83,104.09 J4.3
